# KiCad board vme-wren.kicad_pcb (continued)
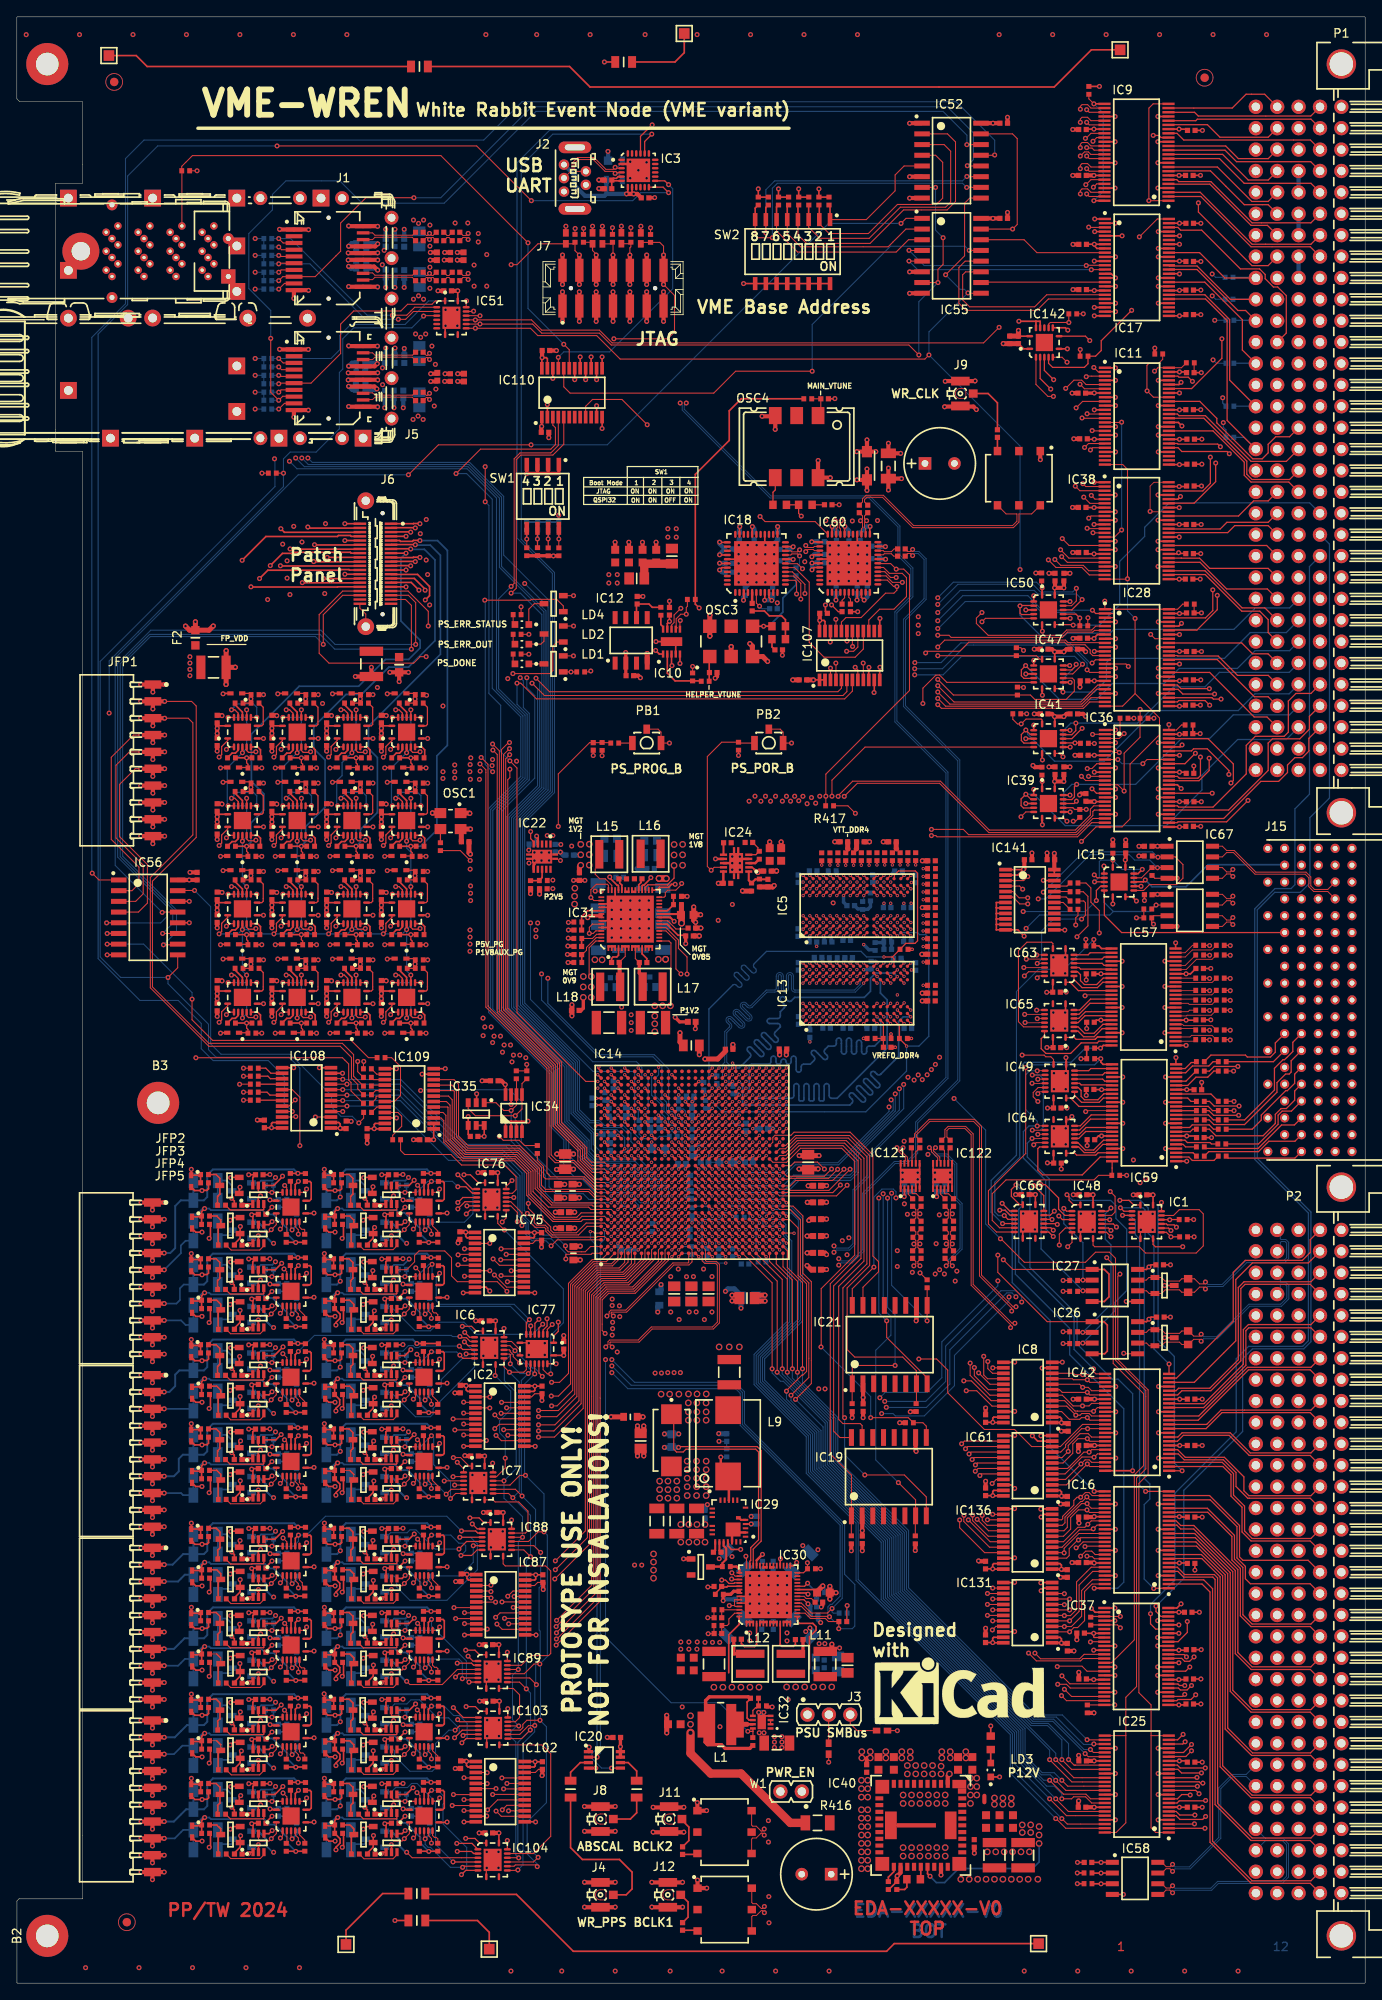
[diagram p0: board, top side]
## Routing (per net, layer and track width the routed paths; a pad name or vN(x,y) marks a point on that pad's centre or on a via; arc(x,y) is an arc through that point) (continued)
/VMEF.A9: length 93.6
  Top Layer w0.125: v2(109.37,152.55) 110.3,151.61 126.56,151.61 127.57,152.63 IC28.22
  Top Layer w0.15: IC14.AE13 88.98,95.87
  L5 w0.125: v2(109.37,152.55) 109.88,152.04 109.88,150.76 110.85,149.79 110.85,112.29 107.05,108.48 v2(107.05,107.84)
  L8 w0.125: v2(107.05,107.84) 107.05,105.46 99.07,97.49 89.27,97.49 88.6,96.82 88.6,96.25 v1(88.99,95.86)
/VMEF.A10: length 93.9
  Top Layer w0.125: IC28.20 128.22,153.63 126.46,151.86 110.8,151.86 v2(109.37,153.3)
  Top Layer w0.15: IC14.AE14 88.98,96.67
  L5 w0.125: v2(107.53,107.28) 107.53,108.61 111.1,112.18 111.1,151.17 109.88,152.39 109.88,152.79 v2(109.37,153.3)
  L8 w0.125: v2(107.53,107.28) 107.53,105.6 99.17,97.24 89.57,97.24 v1(88.99,96.66)
/VMEF.A11: length 103
  Top Layer w0.125: v2(109.37,154.05) 111.3,152.11 126.36,152.11 128.37,154.13 IC28.19
  Top Layer w0.2: IC14.AB11 86.58,94.27
  L5 w0.125: v2(109.37,154.05) 109.88,153.54 109.88,153.46 111.35,151.99 111.35,111.71 v2(109.59,109.94)
  L8 w0.125: v2(109.59,109.94) 109.61,109.91 109.61,106.26 101.71,98.36 101.71,97.65 99.45,95.39 93.6,95.39 91.26,93.05 88.83,93.05 88.58,92.8 88.58,92.5 88.35,92.27 87.23,92.27 87,92.5 87,92.95 86.88,93.07 86.43,93.07 86.2,93.3 86.2,93.87 v1(86.59,94.26)
/VMEF.A12: length 102.8
  Top Layer w0.125: IC28.16 127.42,155.63 v2(127.1,155.94)
  Top Layer w0.15: IC14.AB13 86.58,95.87
  L5 w0.125: v2(106.63,156.06) 106.2,155.64 106.1,155.64 106.1,148.62 109.1,145.62 109.1,113.01 103.35,107.25 103.35,104.27 v2(103.58,104.04)
  Bottom Layer w0.125: v2(106.63,156.06) 109.93,156.06 112.74,158.88 124.97,158.88 127.1,156.74 v2(127.1,155.94) ; v1(86.59,95.86) 86.98,96.25 91.15,96.25 92.31,97.41 97.49,97.41 103.58,103.51 v2(103.58,104.04)
/VMEF.A13: length 105.6
  Top Layer w0.125: v2(127.7,156.74) 128.09,157.13 IC28.13
  Top Layer w0.2: IC14.AA12 85.78,95.07
  L5 w0.125: v2(104.32,105.59) 104.31,105.59 104.31,107.51 109.6,112.8 109.6,145.83 107.12,148.32 107.12,156.33 v2(106.65,156.79)
  Bottom Layer w0.125: v2(106.65,156.79) 109.77,156.79 112.1,159.13 125.07,159.13 127.46,156.74 v2(127.7,156.74) ; v1(85.79,95.06) 86.18,94.67 90.98,94.67 92.24,95.94 98.94,95.94 99.44,96.44 99.44,98.66 104.32,103.54 v2(104.32,105.59)
/VMEF.A14: length 106.5
  Top Layer w0.125: v2(107.93,157.94) 108.13,158.14 111.98,158.14 113.05,159.21 124.44,159.21 124.74,158.91 126.85,158.91 127.47,158.3 127.47,157.93 127.77,157.63 IC28.12
  Top Layer w0.15: IC14.Y9 84.98,92.67
  L5 w0.125: v2(107.93,157.94) 107.93,153.15 108.17,152.91 108.17,147.98 110.1,146.04 110.1,112.6 105.32,107.81 v2(105.32,106.71)
  Bottom Layer w0.125: v1(84.99,92.66) 85.38,93.05 90.63,93.05 92.89,95.31 99.02,95.31 99.94,96.23 99.94,98.45 105.32,103.83 v2(105.32,106.71)
/VMEF.A15: length 102.8
  Top Layer w0.125: IC28.9 129.18,159.16 124.84,159.16 124.54,159.46 110.19,159.46 v2(109.37,158.64)
  Top Layer w0.2: IC14.AD11 88.18,94.27
  L5 w0.125: v2(109.37,158.64) 110.1,158.64 112.1,156.64 112.1,111.06 108.9,107.85 v2(108.11,107.85)
  L8 w0.125: v2(108.11,107.85) 108.11,105.82 100.96,98.68 100.96,97.96 99.14,96.14 92.9,96.14 92.21,95.45 88.83,95.45 88.58,95.2 88.58,94.9 88.19,94.51 v1(88.19,94.26)
/VMEF.A16: length 88.6
  Top Layer w0.125: v2(108.62,136.25) 109.14,136.25 109.28,136.11 125.97,136.11 127.64,137.79 IC36.23
  Top Layer w0.15: IC14.W12 84.18,95.07
  L3 w0.125: v2(108.62,136.25) 110.1,134.77 110.1,109.16 102.28,101.34 93.21,101.34 92.69,101.85 85.63,101.85 85.4,101.62 85.4,101.3 85.15,101.05 84.83,101.05 84.6,100.82 84.6,100.38 84.48,100.25 84.03,100.25 83.8,100.02 83.8,99.64 83.61,99.45 83.23,99.45 83,99.22 83,98.13 82.2,97.33 82.2,95.7 82.43,95.47 82.75,95.47 83,95.22 83,94.9 83.23,94.67 83.8,94.67 v1(84.19,95.06)
/VMEF.A17: length 88.2
  Top Layer w0.125: IC36.22 127.79,138.29 125.86,136.36 113.03,136.36 112.4,136.99 109.2,136.99 109.2,136.99 v2(108.62,136.99)
  Top Layer w0.2: IC14.Y12 84.98,95.07
  L3 w0.125: v1(84.99,95.06) 84.6,95.45 83.26,95.45 83,95.7 83,97.33 83.8,98.13 83.8,99.22 84.06,99.47 84.35,99.47 84.58,99.7 84.58,100 84.86,100.27 85.24,100.27 85.4,100.44 85.4,100.82 85.63,101.05 88.43,101.05 88.73,100.75 91.5,100.75 91.84,101.09 102.39,101.09 110.35,109.05 110.35,135.25 v2(108.62,136.99)
/VMEF.A18: length 133.7
  Top Layer w0.125: v2(98.26,140.91) 99.81,142.46 109.58,142.46 115.43,136.61 125.76,136.61 127.79,138.64 127.79,139.11 127.96,139.29 IC36.20
  Top Layer w0.15: 77,95.87 IC14.L13
  L5 w0.125: v2(53.89,128.54) 56.05,126.37 56.05,116.5 62.71,109.85 62.71,106.36 66.92,102.16 68.9,102.16 69.31,101.75 71.75,101.75 72.73,100.76 73.44,100.76 74.98,99.22 74.98,99.22 76.6,97.6 76.6,96.25 v1(76.99,95.86)
  L8 w0.125: v2(98.26,140.91) 95.39,138.04 63.98,138.04 63.26,137.32 57.49,137.32 55.21,135.04 55.21,129.86 v2(53.89,128.54)
/VMEF.A19: length 133.7
  Top Layer w0.125: v2(97.54,140.91) 97.54,140.99 99.26,142.71 109.69,142.71 115.49,136.91 125.71,136.91 127.49,138.69 127.49,139.39 127.89,139.79 IC36.19
  Top Layer w0.15: 77,96.67 IC14.L14
  L5 w0.125: v2(53.88,129.41) 56.3,126.98 56.3,116.61 63.01,109.9 63.01,106.49 66.83,102.67 71.17,102.67 72.83,101.01 73.54,101.01 76.99,97.56 v1(76.99,96.66)
  L8 w0.125: v2(53.88,129.41) 54.96,130.49 54.96,135.14 57.39,137.57 63.15,137.57 64.59,139 96,139 97.54,140.54 v2(97.54,140.91)
/VMEF.A20: length 133.1
  Top Layer w0.125: v2(58.5,147.3) 58.39,147.3 57.55,146.47 57.55,115.45 63.95,109.05 63.95,101.86 66.91,98.9 66.91,97.69 68.34,96.26 IC14.A13
  Top Layer w0.15: v2(127.69,141.81) 128.21,141.29 IC36.16
  L8 w0.125: v2(127.69,141.81) 126.96,141.81 126.71,141.56 124.78,141.56 123.87,140.65 118.16,140.65 111.52,147.29 98.52,147.29 96.22,149.59 65.73,149.59 63.99,147.85 59.05,147.85 v2(58.5,147.3)
/VMEF.A21: length 136.3
  Top Layer w0.125: IC36.13 126.93,142.79 v2(126.43,143.29) ; v2(56.5,147.12) 57.3,146.32 57.3,115.35 63.7,108.95 63.7,101.75 66.63,98.83 66.63,97.62 68.79,95.46 IC14.A12
  L8 w0.125: v2(56.5,147.12) 56.5,148.88 57.71,150.09 96.42,150.09 98.73,147.79 111.77,147.79 112.44,147.11 112.44,147.11 117.12,142.43 120.88,142.43 121.12,142.2 124.55,142.2 125.27,142.92 126.06,142.92 v2(126.43,143.29)
/VMEF.A22: length 145.8
  Top Layer w0.125: IC36.12 127.28,143.29 v2(127.28,143.29)
  Top Layer w0.15: 74.6,95.87 IC14.H13
  L3 w0.125: v1(75.37,97.46) 74.98,97.06 74.98,96.25 v1(74.59,95.86)
  L5 w0.125: v2(56.49,145.28) 56.48,145.28 55.95,144.76 55.95,142.22 52.71,138.98 52.71,128.25 55.55,125.41 55.55,115.89 61.61,109.83 61.61,106.76 68.12,100.25 72.35,100.25 73.38,99.22 73.38,98.72 73.47,98.63 73.97,98.63 74.2,98.4 74.2,98.1 74.85,97.46 v1(75.37,97.46)
  L8 w0.125: v2(127.28,143.29) 127.28,142.7 126.39,141.81 124.68,141.81 124.11,141.25 120.57,141.25 119.63,142.18 116.98,142.18 116.56,142.6 116.56,142.63 111.66,147.54 98.62,147.54 96.32,149.84 57.81,149.84 57.02,149.05 57.02,145.81 v2(56.49,145.28) 56.64,145.14
/VMEF.A23: length 143.9
  Top Layer w0.125: v2(127.12,144.21) 127.68,144.21 128.25,144.79 IC36.9
  Top Layer w0.15: 73.8,95.87 IC14.G13
  L3 w0.125: v2(56.44,144.56) 55.75,143.87 55.75,142.86 52.78,139.88 52.78,122.1 66.7,108.17 66.7,101.92 70.2,98.42 70.2,98.1 70.45,97.85 73.15,97.85 74.18,96.82 74.18,96.25 v1(73.79,95.86)
  L8 w0.125: v2(56.44,144.56) 55.7,145.3 55.7,148.79 57.5,150.59 96.63,150.59 98.93,148.29 111.98,148.29 116.04,144.23 116.04,144.22 117.09,143.17 125.58,143.17 126.63,144.21 v2(127.12,144.21)
/VMEF.A24: length 102.5
  Top Layer w0.125: IC37.9 127.53,40.54 v2(127.5,40.51)
  Top Layer w0.15: 73.8,94.27 IC14.G11
  L5 w0.125: v1(73.79,94.26) 73.39,93.86 71.24,93.86 71,93.62 71,93.33 70.75,93.07 70.44,93.07 69.15,91.79 69.15,89.34 69.15,86.03 75.05,80.13 75.05,79.43 80.42,74.06 101.52,74.06 107.68,67.91 107.68,65.16 110.75,62.08 110.75,54.06 111.75,53.06 116.26,53.06 118,51.32 118,45.4 124.45,38.95 125.94,38.95 v2(127.5,40.51)
/VMEF.A25: length 107.6
  Top Layer w0.125: IC37.12 126.76,39.04 126.23,38.51 121.58,38.51 v2(120.9,39.19)
  Top Layer w0.15: 76.2,95.07 IC14.K12
  L5 w0.125: v1(76.19,95.06) 75.78,94.65 71.23,94.65 71,94.42 71,94.13 70.74,93.86 70.44,93.86 68.9,92.32 68.9,89.06 68.9,85.93 74.8,80.03 74.8,79.33 80.32,73.81 101.42,73.81 107.43,67.8 107.43,65.05 110.5,61.98 110.5,53.95 111.64,52.81 116.16,52.81 117.75,51.22 117.75,45.29 120.9,42.14 v2(120.9,39.19)
/VMEF.A26: length 108.2
  Top Layer w0.125: IC37.13 126.61,38.54 126.33,38.26 121.08,38.26 v2(120.15,39.19)
  Top Layer w0.15: 75.4,95.07 IC14.J12
  L5 w0.125: v1(75.39,95.06) 74.99,95.46 71.24,95.46 70.98,95.2 70.98,94.9 70.75,94.67 70.43,94.67 68.65,92.9 68.65,85.83 74.55,79.92 74.55,79.22 80.21,73.56 101.32,73.56 107.18,67.7 107.18,64.95 110.25,61.87 110.25,53.85 111.54,52.56 116.05,52.56 117.5,51.11 117.5,45.19 120.15,42.54 v2(120.15,39.19)
/VMEF.A27: length 111.4
  Top Layer w0.125: IC37.16 127.1,37.04 126.5,37.64 123.61,37.64 v2(123.56,37.59)
  Top Layer w0.15: 76.2,95.87 IC14.K13
  L5 w0.125: v1(76.19,95.86) 75.8,96.25 71.23,96.25 71,96.02 71,95.7 70.75,95.45 70.43,95.45 67.72,92.74 67.72,89.07 68.4,88.4 68.4,85.72 74.3,79.82 74.3,79.12 80.11,73.31 86.81,73.31 88.07,72.05 102.48,72.05 105.62,68.91 105.62,66.16 110,61.77 110,53.75 111.44,52.31 115.95,52.31 117.25,51.01 117.25,41.4 121.07,37.59 v2(123.56,37.59)
/VMEF.A28: length 107.2
  Top Layer w0.125: IC37.19 125.06,35.54 v2(124.11,36.49)
  Top Layer w0.15: 70.6,95.87 IC14.C13
  L5 w0.125: v2(124.11,36.49) 120.62,36.49 117,40.1 117,50.9 115.84,52.06 111.33,52.06 109.75,53.64 109.75,61.67 105.37,66.06 105.37,68.81 102.37,71.8 87.97,71.8 86.7,73.06 80.01,73.06 74.05,79.02 74.05,79.72 68.15,85.62 68.15,88.29 67.47,88.97 67.47,92.85 70.49,95.86 v1(70.59,95.86)
/VMEF.A29: length 110.6
  Top Layer w0.125: v2(123.61,35.49) 124.66,35.49 125.11,35.04 IC37.20
  Top Layer w0.15: 71.4,96.67 IC14.D14
  L5 w0.125: v2(123.61,35.49) 120.16,35.49 116.75,38.89 116.75,50.8 115.74,51.81 111.23,51.81 109.5,53.54 109.5,61.2 104.36,66.34 104.36,69.46 102.27,71.55 87.87,71.55 86.6,72.81 79.9,72.81 73.8,78.91 73.8,79.61 67.9,85.51 67.9,88.19 67.22,88.87 67.22,92.95 68.45,94.18 68.45,95.59 69.11,96.25 70.88,96.25 71.29,96.66 71.39,96.66
  vias: v1(71.39,96.66)
/VMEF.A30: length 114.6
  Top Layer w0.125: v2(124.41,34.89) 125.26,34.04 IC37.22
  Top Layer w0.15: 72.2,96.67 IC14.E14
  L5 w0.125: v1(72.19,96.66) 71.79,97.06 67.63,97.06 66.32,95.75 66.32,93.05 66.97,92.39 66.97,88.76 67.56,88.17 67.56,85.5 72.35,80.71 72.35,80.69 73.55,79.49 73.55,78.81 79.8,72.56 86.5,72.56 87.76,71.3 102.17,71.3 104.11,69.35 104.11,65.14 109.25,60 109.25,53.44 111.13,51.56 115.64,51.56 116.5,50.7 116.5,38.69 120.31,34.89 v2(124.41,34.89)
/VMEF.A31: length 115.9
  Top Layer w0.125: v2(124.06,34.14) 124.66,33.54 IC37.23
  Top Layer w0.15: 73.8,96.67 IC14.G14
  L5 w0.125: v2(124.06,34.14) 120.7,34.14 114.57,40.27 114.57,49.09 112.35,51.31 111.03,51.31 109,53.33 109,59.9 103.86,65.04 103.86,69.25 102.06,71.05 87.66,71.05 86.39,72.31 79.7,72.31 73.3,78.71 73.3,79.38 67.3,85.39 66.71,85.39 65.77,86.33 65.77,95.55 67.53,97.31 73.14,97.31 v1(73.79,96.66)
/VMEF.A_DIR: length 318.7
  Top Layer w0.125: IC14.E15 v1(72.21,98.24) ; v2(126.44,135.56) 128.16,137.29 IC36.24 131.25,137.29 132.2,138.24 132.2,144.74 135.7,148.24 135.7,150.21 132.8,153.11 ; IC38.24 131.86,166.7 v2(131.9,166.74) 131.9,179.74 131.34,180.31 IC11.24 ; 132.8,153.11 131.32,151.63 IC28.24 ; 132.8,153.11 v2(132.8,162.04) ; v2(130.39,33.04) 130.38,33.04 IC37.24 129.14,33.03 R40.1
  L3 w0.125: v2(126.44,135.56) 126.44,128.16 129.34,125.25 129.34,118.45 132.1,115.69 132.1,96.3 132.92,95.49 132.92,94.56 133.15,94.33 137.32,94.33 140.8,90.84 140.8,85.79 139.05,84.04 139.05,73.62 133.35,67.92 133.35,36 v2(130.39,33.04)
  L5 w0.125: v1(72.21,98.24) 71.31,99.15 67.52,99.15 66.88,99.79 65.42,99.79 61.81,103.39 61.81,105.85 59.39,108.27 57.08,108.27 54.88,110.47 54.88,125.37 52.21,128.05 52.21,139.19 54.94,141.91 v2(54.94,142.93)
  L8 w0.125: v2(126.44,135.56) 120.83,135.56 117.8,138.59 117.8,139.59 111.11,146.29 98.11,146.29 95.8,148.59 66.14,148.59 64.4,146.85 64.4,146.84 60.48,142.91 54.95,142.91 v2(54.94,142.93)
  Bottom Layer w0.125: v2(131.9,166.74) 131.9,162.94 v2(132.8,162.04)
/VMEF.A_OE_N: length 316.3
  Top Layer w0.125: IC38.14 130.36,171.7 v2(131.2,172.54) ; v2(131.2,185.34) 131.17,185.31 IC11.14 ; IC36.14 130.76,142.29 v2(131.5,141.54) 131.5,146.04 133.39,147.93 R92.1 133.4,150.2 v2(133.4,151.24) ; v2(132,156.34) 131.72,156.63 IC28.14 ; IC37.14 130,38.04 132.71,40.76 132.71,60.35 133.81,61.45 133.81,69.98 130.2,73.59 130.2,85.34 129.44,86.11 v2(129.44,86.14)
  Top Layer w0.15: 76.2,96.67 IC14.K14
  L3 w0.125: v2(131.5,141.54) 134.5,138.54 134.5,122.54 133.4,121.44 v2(133.4,95.04) ; v2(131.2,172.54) 131.2,159.74 132,158.94 v2(132,156.34) 132,152.64 v2(133.4,151.24)
  L5 w0.125: v2(129.44,86.14) 133.15,86.14 134.4,87.39 134.4,94.04 v2(133.4,95.04) ; v2(59.35,145.09) 58.9,144.64 57.65,144.64 57.15,144.14 57.15,143.07 52.96,138.87 52.96,128.36 55.8,125.51 55.8,115.99 61.86,109.94 61.86,106.86 67.55,101.17 71.93,101.17 73.62,99.47 74.02,99.47 74.18,99.32 74.18,98.78 74.3,98.65 74.79,98.65 76.19,97.25 v1(76.19,96.66)
  L8 w0.125: v2(59.35,145.09) 61.36,147.1 64.3,147.1 66.04,148.84 95.91,148.84 98.21,146.54 111.21,146.54 118.68,139.07 119.41,139.07 120.16,138.32 122.32,138.32 123.19,137.45 130.26,137.45 131.5,138.69 v2(131.5,141.54)
  Bottom Layer w0.125: v2(131.2,172.54) v2(131.2,185.34)
/VMEF.AM0: length 123.8
  Top Layer w0.125: IC11.9 126.57,187.81 v2(125.8,187.04)
  Top Layer w0.15: IC14.Y14 84.98,96.67
  L3 w0.125: v1(84.99,96.66) 85.38,97.05 86.21,97.05 87.04,97.87 90.75,97.87 92.46,99.59 103.01,99.59 111.85,108.43 111.85,168.73 115.65,172.53 115.65,182.72 119.97,187.04 v2(125.8,187.04)
/VMEF.AM1: length 121.8
  Top Layer w0.125: v2(127.1,186.34) 127.14,186.31 IC11.12
  Top Layer w0.2: IC14.AB14 86.58,96.67
  L3 w0.125: v1(86.59,96.66) 86.59,97.03 87.19,97.62 90.85,97.62 92.57,99.34 103.11,99.34 112.1,108.33 112.1,168.63 115.9,172.43 115.9,182.62 119.63,186.34 v2(127.1,186.34)
/VMEF.AM2: length 123.6
  Top Layer w0.125: v2(126.5,185.84) 126.54,185.81 IC11.13
  Top Layer w0.15: IC14.Y13 84.98,95.87
  L3 w0.125: v2(126.5,185.84) 119.48,185.84 116.15,182.51 116.15,172.32 112.35,168.52 112.35,108.22 103.22,99.09 92.67,99.09 90.96,97.37 87.56,97.37 87,96.82 87,96.34 86.91,96.25 85.38,96.25 v1(84.99,95.86)
/VMEF.AM3: length 120
  Top Layer w0.125: IC11.16 127.74,184.31 v2(127.7,184.34)
  Top Layer w0.15: IC14.AC14 87.38,96.67
  L3 w0.125: v1(87.39,96.66) 87.85,97.12 91.06,97.12 92.77,98.84 103.33,98.84 112.6,108.11 112.6,168.42 116.4,172.22 116.4,182.41 118.33,184.34 v2(127.7,184.34)
/VMEF.AM4: length 116.9
  Top Layer w0.125: IC11.19 127.27,182.81 v2(126.8,182.34)
  Top Layer w0.15: IC14.AG14 90.58,96.67
  L3 w0.125: v2(126.8,182.34) 117.7,182.34 116.65,181.29 116.65,172.95 116.65,172.12 112.85,168.32 112.85,105.75 105.18,98.08 100.54,98.08 100.24,97.77 92.06,97.77 90.95,96.66 v1(90.59,96.66)
/VMEF.AM5: length 118.1
  Top Layer w0.125: v2(127.5,182.04) 127.77,182.31 IC11.20
  Top Layer w0.15: IC14.AD14 88.18,96.67
  L3 w0.125: v1(88.19,96.66) 88.58,96.27 90.92,96.27 92.17,97.52 100.35,97.52 100.61,97.79 105.25,97.79 113.1,105.64 113.1,168.21 116.9,172.01 116.9,178.94 118.3,180.34 125.8,180.34 v2(127.5,182.04)
/VMEF.AS_N_DIR: length 157.1
  Top Layer w0.125: v2(134.65,160.14) 135.17,159.63 IC28.41
  Top Layer w0.15: 73,95.07 IC14.F12
  L3 w0.125: v2(52,144.64) 52.74,143.9 52.74,142.78 52.03,142.07 52.03,121.78 65.95,107.86 65.95,101.61 68.35,99.21 68.35,98 69.28,97.07 70.74,97.07 71,96.81 71,96.5 71.23,96.27 71.53,96.27 71.78,96.02 71.78,95.7 72.01,95.47 72.33,95.47 72.74,95.06 v1(72.99,95.06)
  L8 w0.125: v2(52,144.64) 51.9,144.74 51.9,149.15 55.84,153.09 97.31,153.09 99.87,150.54 110.45,150.54 119.03,159.11 133.63,159.11 v2(134.65,160.14)
/VMEF.AS_N_IN: length 98.4
  Top Layer w0.125: IC14.AH14 91.95,97.06 92.38,97.49 95.08,97.49 v2(95.9,96.66) ; IC28.6 127.98,160.63 127.76,160.41 124.79,160.41 124.16,159.78 110.96,159.78 110.7,160.04 v2(109.37,160.04)
  L5 w0.125: v2(95.9,96.66) 97.12,97.88 99.27,97.88 112.35,110.96 112.35,156.99 109.37,159.97 v2(109.37,160.04)
/VMEF.AS_N_OUT: length 103.1
  Top Layer w0.125: IC14.AH10 96.9,93.86 v2(97.8,94.76) ; IC28.5 128.12,161.13 127.66,160.66 124.68,160.66 124.05,160.03 115.36,160.03 113.95,161.44 113.95,162.08 v2(114.62,162.74)
  L5 w0.125: v2(97.8,94.76) 98.27,95.23 99.51,95.23 105.57,101.29 109.03,101.29 114.43,106.69 114.43,160.96 113.95,161.44 113.95,162.08 v2(114.62,162.74)
/VMEF.BERR_IN: length 121
  Top Layer w0.125: v2(126.26,189.84) 126.8,189.31 IC11.6
  Top Layer w0.2: IC14.AD15 88.18,98.26
  L3 w0.125: v2(126.26,189.84) 122.06,189.84 115.15,182.93 115.15,172.95 115.15,172.74 114.98,172.56 112.35,169.94 111.35,168.94 111.35,108.64 102.8,100.09 92.26,100.09 90.84,98.67 88.82,98.67 88.41,98.26 v1(88.19,98.26)
/VMEF.BERR_OE: length 185.6
  Top Layer w0.125: R315.1 136.08,192.81 135.61,192.34 134.46,192.34 134.21,192.09 134.21,189.07 v2(134.23,189.05) 134.98,188.31 IC11.41
  Top Layer w0.15: 73,94.27 IC14.F11
  L3 w0.125: v2(50.6,143.84) 51.28,143.16 51.28,121.47 65.2,107.55 65.2,101.3 67.6,98.9 67.6,96.86 69.79,94.67 72.58,94.67 v1(72.99,94.26)
  L8 w0.125: v2(134.23,189.05) 133.62,189.05 129.25,184.68 129.25,182.56 115.68,168.99 115.68,156.49 110.23,151.04 100.07,151.04 97.5,153.61 55.66,153.61 50.6,148.56 v2(50.6,143.84)
/VMEF.BERR_OUT: length 120.9
  Top Layer w0.125: v2(124.56,189.35) 125.54,190.33 126.46,190.33 126.99,189.81 IC11.5
  Top Layer w0.2: IC14.AE15 88.98,98.26
  L3 w0.125: v2(124.56,189.35) 124.56,188.59 123.27,187.29 119.87,187.29 115.4,182.82 115.4,172.64 115.38,172.61 111.6,168.84 111.6,108.54 102.9,99.84 92.36,99.84 90.79,98.26 v1(88.99,98.26)
/VMEF.BG3IN: length 161.1
  Top Layer w0.125: IC14.B14 69.78,97.47 68.25,97.47 67.68,98.05 67.68,99.19 64.7,102.17 64.7,109.36 58.3,115.76 58.3,142.89 58.55,143.14 v2(58.55,144.14) ; IC142.6 124.13,193.05 v2(124.72,192.46)
  Top Layer w0.2: 124.72,192.51 v2(124.72,192.46)
  L5 w0.125: v2(58.3,154.89) 58.3,152.64 59.85,151.09 59.85,144.9 59.09,144.14 v2(58.55,144.14)
  L8 w0.125: v2(58.3,154.89) 58.3,155.57 58.71,155.97 62.94,155.97 62.94,155.95 64.28,154.61 72.99,154.61 73.91,155.54 104.35,155.54 107.95,159.14 107.95,164.11 122.15,178.31 122.15,190.94 123.67,192.46 v2(124.72,192.46)
/VMEF.BG3OUT: length 160.2
  Top Layer w0.125: IC142.2 121.03,189.82 122.45,188.4 v2(123.1,188.4)
  Top Layer w0.15: 70.6,96.67 IC14.C14
  L8 w0.125: v2(59.78,155) 59.78,155.09 60.37,155.68 62.82,155.68 64.13,154.36 87.2,154.36 88.13,155.29 104.45,155.29 108.2,159.04 108.2,164.01 123.1,178.91 v2(123.1,188.4)
  Bottom Layer w0.125: v1(70.59,96.66) 68.56,96.66 66.92,98.3 66.92,99.64 64.4,102.16 64.4,108.51 57.23,115.68 57.23,139.24 60.85,142.86 60.85,150.76 60.15,151.46 60.15,154.63 v2(59.78,155)
/VMEF.BR3: length 175.3
  Top Layer w0.125: IC142.10 122.53,196.97 122.74,197.18 v2(124.93,197.18) 124.93,197.18 R403.2
  Top Layer w0.15: 74.6,94.27 IC14.H11
  L8 w0.125: v2(124.93,197.18) 125.52,196.59 125.52,191.5 123.84,189.81 123.84,177.85 110.19,164.2 110.19,156.84 107.46,154.11 64.03,154.11 62.72,155.43 60.99,155.43 v2(60.56,155)
  Bottom Layer w0.125: v2(60.56,155) 60.56,153.83 61.5,152.89 61.5,143.08 57.61,139.19 57.61,115.89 64.65,108.85 64.65,102.33 67.21,99.77 67.21,98.36 68.53,97.05 71.55,97.05 71.78,96.82 71.78,96.53 72.03,96.27 73.13,96.27 73.38,96.02 73.38,95.73 73.66,95.45 73.95,95.45 74.18,95.22 74.18,94.9 74.59,94.49 v1(74.59,94.26)
/VMEF.D0: length 153
  Top Layer w0.125: IC17.36 127.94,217.64 127.69,217.89 127.11,217.89 v2(127.05,217.94)
  Top Layer w0.15: IC14.AG5 90.58,89.47
  L5 w0.125: v2(127.05,217.94) 126.57,217.45 125.49,217.45 121.76,213.72 121.76,194.13 116.38,188.75 116.38,110.8 116.38,105.06 108.57,97.25 104.14,97.25 100.47,93.57 100.47,93.57 98.84,91.94 93.61,91.94 91.14,89.46 v1(90.59,89.46)
/VMEF.D1: length 154.2
  Top Layer w0.125: v2(126.3,217.94) 126.3,218.34 126.5,218.54 127.16,218.54 127.56,218.14 IC17.35
  Top Layer w0.15: IC14.AG6 89.8,90.27
  L5 w0.125: v2(126.3,217.94) 126.13,217.76 125.45,217.76 121.51,213.83 121.51,194.24 116.13,188.85 116.13,162.32 116.13,106.26 109.65,99.79 108.1,99.79 107.65,99.34 107.65,98.43 106.72,97.5 104.04,97.5 100.22,93.68 100.22,93.67 98.73,92.19 93.51,92.19 91.17,89.85 90.46,89.85 90.04,90.26 v1(89.8,90.26)
/VMEF.D2: length 156.7
  Top Layer w0.125: v2(127.8,218.69) 128.25,219.14 IC17.33
  Top Layer w0.15: IC14.AC6 87.38,90.27
  L5 w0.125: v2(127.8,218.69) 127.67,218.55 125.89,218.55 121.26,213.93 121.26,194.34 115.88,188.96 115.88,110.59 115.88,106.37 109.55,100.04 107.97,100.04 107.4,99.47 107.4,98.53 106.61,97.75 103.93,97.75 99.97,93.78 99.97,93.78 99.61,93.42 93.35,93.42 92.89,92.95 92.89,91.92 91.62,90.65 87.78,90.65 v1(87.39,90.26)
/VMEF.D3: length 152.4
  Top Layer w0.125: IC17.32 127.56,219.64 126.97,219.04 v2(126.9,219.04)
  Top Layer w0.2: IC14.AH7 91.38,91.07
  L5 w0.125: v2(126.9,219.04) 126.02,219.04 121.01,214.03 121.01,194.44 115.63,189.06 115.63,164.19 115.63,163.16 115.63,106.47 109.45,100.29 107.87,100.29 107.15,99.57 107.15,98.71 106.44,98 103.83,98 99.5,93.67 93.25,93.67 92.64,93.06 92.64,92.31 v1(91.39,91.06)
/VMEF.D4: length 159.2
  Top Layer w0.125: v2(127.05,220.94) 127.36,220.64 IC17.30
  Top Layer w0.2: IC14.AC8 87.38,91.87
  L5 w0.125: v2(127.05,220.94) 126.25,221.74 124.83,221.74 123.35,220.26 123.35,217.26 120.51,214.43 120.51,194.65 115.13,189.27 115.13,165.02 115.13,106.68 109.24,100.79 107.66,100.79 106.65,99.78 106.65,98.91 106.23,98.5 103.62,98.5 99.3,94.18 93.05,94.18 92.14,93.26 92.14,92.55 91.86,92.27 87.8,92.27 v1(87.39,91.86)
/VMEF.D5: length 158.3
  Top Layer w0.125: v2(126.3,220.94) 126.3,221.34 126.5,221.54 127.16,221.54 127.56,221.14 IC17.29
  Top Layer w0.2: IC14.AC7 87.38,91.07
  L5 w0.125: v2(126.3,220.94) 126.3,219.68 120.76,214.14 120.76,194.55 115.38,189.16 115.38,110.39 115.38,106.57 109.34,100.54 107.76,100.54 106.9,99.67 106.9,98.81 106.34,98.25 103.73,98.25 99.41,93.93 93.15,93.93 92.39,93.16 92.39,92.44 91.42,91.47 87.8,91.47 v1(87.39,91.06)
/VMEF.D6: length 154.6
  Top Layer w0.125: v2(127.05,222.44) 127.36,222.14 IC17.27
  Top Layer w0.2: IC14.AH9 91.38,92.67
  L5 w0.125: v2(127.05,222.44) 126.6,221.99 124.72,221.99 123.1,220.36 123.1,217.36 120.26,214.53 120.26,194.75 113.36,187.85 113.36,160.47 114.1,159.72 114.1,106.71 108.93,101.54 105.47,101.54 99.52,95.59 93.48,95.59 91.39,93.5 v1(91.39,92.66)
/VMEF.D7: length 156.3
  Top Layer w0.125: IC17.26 127.56,222.64 127.16,223.04 126.5,223.04 126.3,222.84 v2(126.3,222.5)
  Top Layer w0.2: IC14.AG9 90.58,92.67
  L5 w0.125: v1(90.59,92.66) 90.59,93.05 93.38,95.84 99.42,95.84 105.37,101.79 108.83,101.79 113.85,106.82 113.85,159.62 113.11,160.37 113.11,187.95 120.01,194.86 120.01,214.63 122.85,217.47 122.85,221.62 123.73,222.5 v2(126.3,222.5)
/VMEF.D8: length 156.6
  Top Layer w0.125: v2(127.05,212.44) 127.36,212.14 IC17.47
  Top Layer w0.15: IC14.AF2 v1(89.78,87.07)
  L5 w0.125: v1(89.78,87.07) 89.78,86.97 90.38,86.37 90.99,86.37 91.37,85.99 94.27,85.99 97.51,89.24 112.46,89.24 115.93,92.71 115.93,95.71 118.38,98.17 118.38,105.33 118.38,164.09 118.38,164.3 118.38,187.92 123.76,193.3 123.76,209.15 v2(127.05,212.44)
/VMEF.D9: length 158.3
  Top Layer w0.125: IC17.46 127.56,212.64 127.16,213.04 126.5,213.04 126.3,212.84 v2(126.3,212.44)
  Top Layer w0.15: IC14.AF3 89.78,87.87
  L5 w0.125: v2(126.3,212.44) 124.29,212.44 123.51,211.66 123.51,193.41 118.13,188.02 118.13,163.99 118.13,104.33 113.22,99.43 113.22,90.74 112.21,89.72 97.31,89.72 96.83,89.24 95.98,89.24 93.96,87.21 92.74,87.21 92.2,86.67 90.43,86.67 90.17,86.93 90.17,87.48 v1(89.79,87.86)
/VMEF.D10: length 156.6
  Top Layer w0.125: IC17.44 128.25,213.64 v2(127.85,213.24)
  Top Layer w0.15: IC14.AG3 90.58,87.87
  L5 w0.125: v2(127.85,213.24) 127.67,213.05 123.98,213.05 123.26,212.34 123.26,193.51 117.88,188.13 117.88,162.84 117.88,104.44 112.93,99.49 112.93,90.95 111.96,89.97 97.21,89.97 96.72,89.49 95.87,89.49 93.85,87.46 90.99,87.46 v1(90.59,87.86)
/VMEF.D11: length 155.8
  Top Layer w0.125: v2(126.95,213.54) 126.97,213.54 127.56,214.14 IC17.43
  Top Layer w0.15: IC14.AH3 91.38,87.87
  L5 w0.125: v2(126.95,213.54) 123.84,213.54 123.01,212.71 123.01,193.62 117.63,188.23 117.63,163.99 117.63,162.73 117.63,104.54 112.65,99.57 112.65,91.12 111.85,90.32 97.2,90.32 96.63,89.74 95.78,89.74 93.9,87.86 v1(91.39,87.86)
/VMEF.D12: length 155.7
  Top Layer w0.125: IC17.41 127.36,215.14 v2(127.05,215.44)
  Top Layer w0.15: IC14.AG4 90.58,88.67
  L5 w0.125: v1(90.59,88.66) 90.6,88.65 92.61,88.65 93.46,89.5 94.83,89.5 95.57,90.24 96.36,90.24 97.3,91.19 103.54,91.19 104.36,92.01 108.62,92.01 110.42,93.81 111.59,93.81 112.03,94.26 112.03,99.65 117.13,104.75 117.13,163.16 117.13,164.19 117.13,188.44 122.51,193.82 122.51,213.13 125.31,215.93 126.57,215.93 v2(127.05,215.44)
/VMEF.D13: length 159
  Top Layer w0.125: IC17.40 127.56,215.64 127.16,216.04 126.5,216.04 126.3,215.84 v2(126.3,215.44)
  Top Layer w0.15: IC14.AD5 88.18,89.47
  L5 w0.125: v1(88.19,89.46) 88.6,89.05 89.98,89.05 90.2,88.82 90.2,88.5 90.43,88.27 92.58,88.27 93.53,89.22 94.9,89.22 95.67,89.99 96.46,89.99 97.2,90.73 107.69,90.73 110.53,93.56 111.69,93.56 112.34,94.21 112.34,99.61 117.38,104.65 117.38,188.34 122.76,193.72 122.76,213.03 125.17,215.44 v2(126.3,215.44)
